# Altium PCB Sinus_Inverter.PcbDoc (continued)
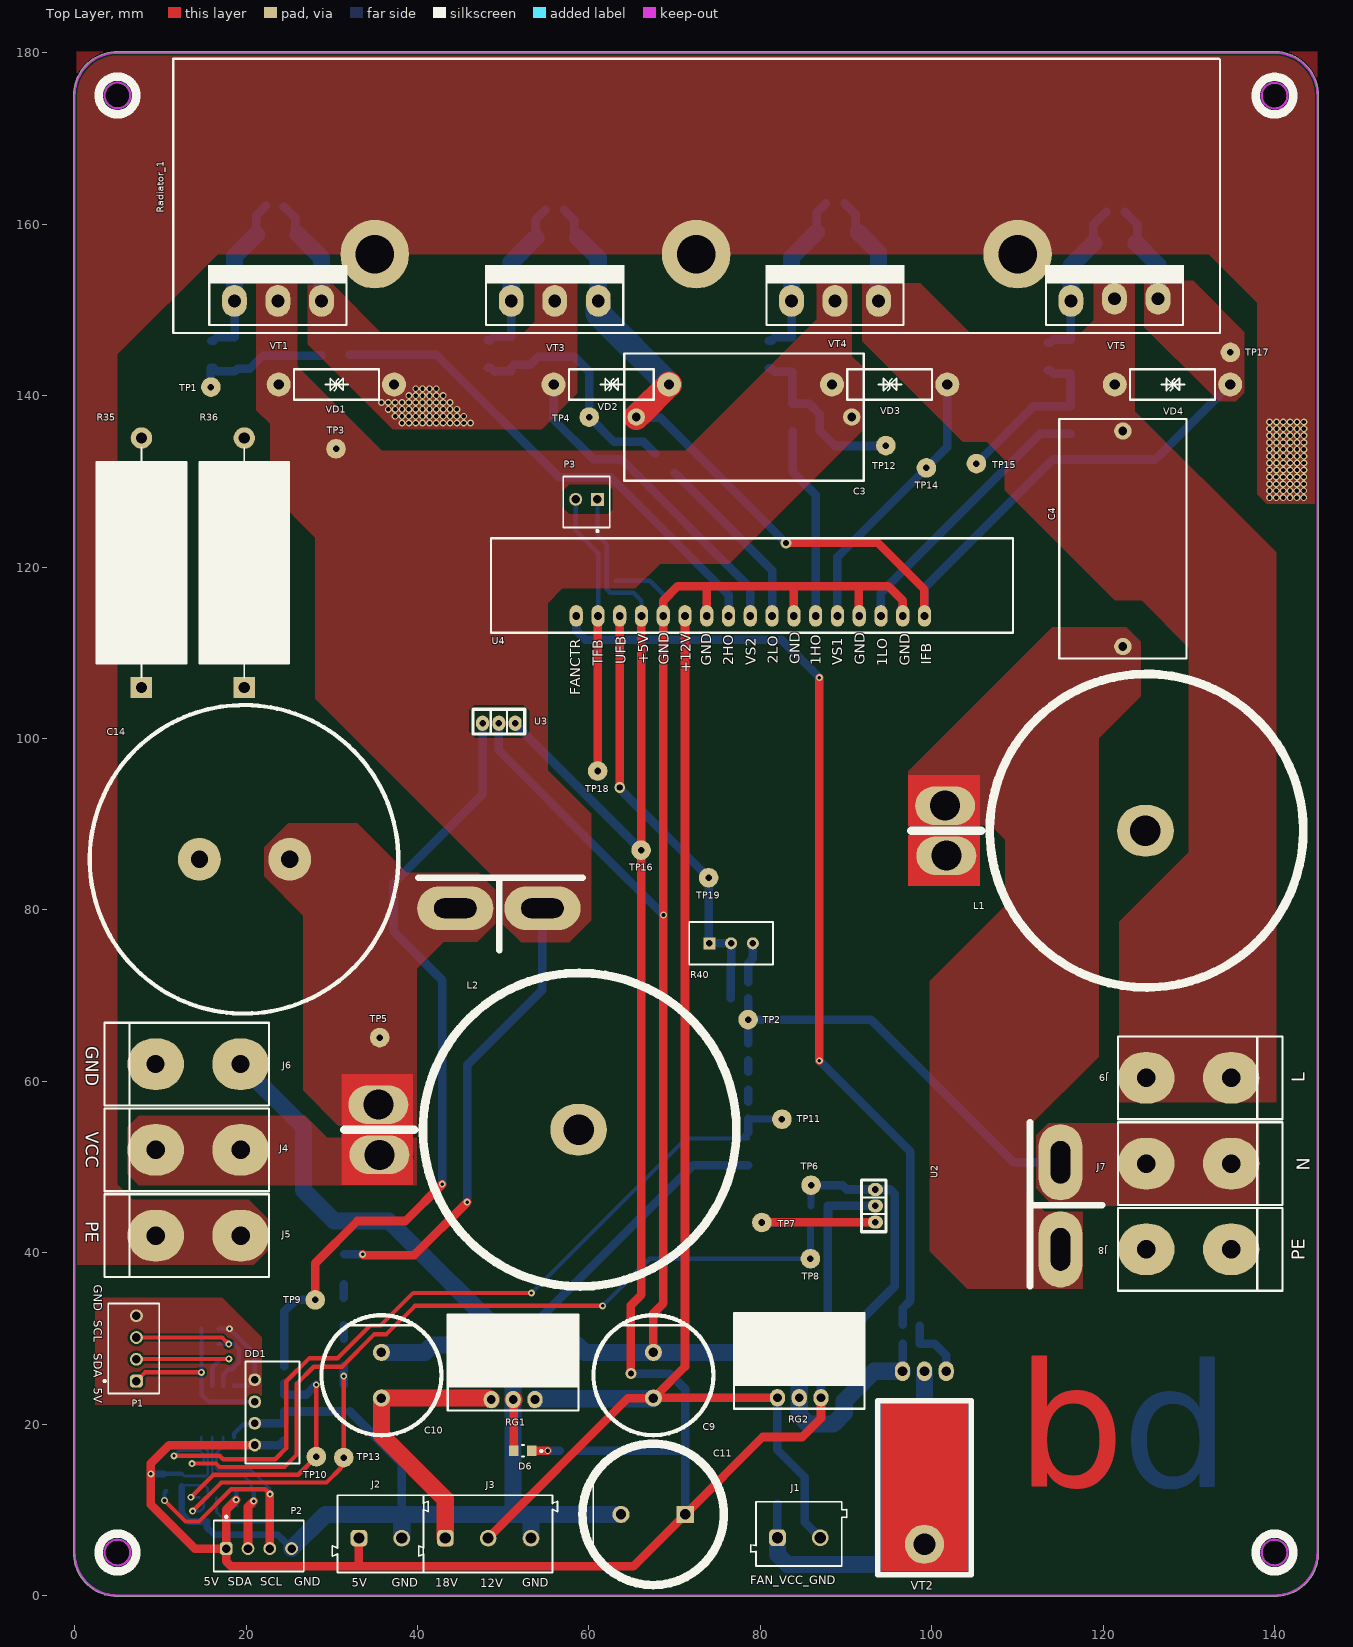
[diagram p0: Top Layer view]
## Footprints (in the part's own frame and the unit in brackets; to place one, negate y for a bottom-side part, rotate by r counter-clockwise, add the part's x,y. Pads: shape width x height; smd on the part's side, far side on the other; paste and mask are expansions set on the pad) (continued)
  silkscreen extent -3.92,-1.46 2.3,1.46, body extent -2.6,-1.3 2.6,1.3, height 2.4

## Part data
C1: library part CMP-1036-04552-2, "CAP CER 0.22UF 50V X7R 0805", Capacitance="0.22 μF", Manufacturer=KEMET, Package=C0805C-DN, Temperature="-55°C to +125°C", Temperature Characteristic=X7R, Temperature Coefficient=30ppm/°C, Temperature Range High=+125°C, Temperature Range Low=-55°C, Tolerance=0.1, Voltage Rating="50 V", Automotive=No, Category=Cap, ComponentLink2Description=Datasheet, ComponentLink2URL=https://content.kemet.com/datasheets/KEM_C1003_C0G_SMD.pdf, Device Class L1="Passive Components", Device Class L2=Capacitors, Device Class L3="Ceramic Capacitors", Digikey Description="CAP CER 0.22UF 50V X7R 0805", Height=0.88mm, Ipc Land Pattern Name=CAPC200125X78, Lead Free=Yes, Manufacturer Part Number=C0805C224K5RACTU, Material=Ceramic, Mouser Description="CAP CER 0.22UF 50V X7R 0805", Octopart=https://octopart.com/c0805c224k5ractu-kemet-144670, RoHS=TRUE
C3 C4 C5 C6 C7 C8 C12 C13: library part CAP-NON-POLAR
C9 C10: library part CAP_polar_Hitano
C14: library part CAP_POL_LOW_IMP
D2: library part 1N4148, "Fast Switching Diode, 100 V, 0.15 A, -65 to 150 degC, 2-Pin?SOD123, RoHS, Tape and Reel", If - Forward Current=0.15A, Ir - Reverse Current=1uA, Manufacturer=DiodesIncorporated, Max Surge Current=2A, Maximum Operating Temperature=+150C, Minimum Operating Temperature=-65C, Operating Temperature Range=-65Cto+150C, Package / Case=SOD-123, Package Reference=SOD123-2, Peak Reverse Voltage=100V, Vf - Forward Voltage=1.25V, Brand=DiodesIncorporated, Configuration=Single, Datasheet URL=http://www.farnell.com/datasheets/1915529.pdf, Datasheet Version="Rev. 24-2, 10/2013", Factory Pack Quantity=3000, Height=1.25mm, Length=2.85mm, Manufacturer URL=http://www.diodes.com/, Mounting Style=SMD/SMT, Package URL=http://www.diodes.com/datasheets/ds18004.pdf, Packaging=Reel, Product=SwitchingDiodes, Product Category=Diodes-GeneralPurpose,Power,Switching, Recovery Time=4ns, RoHS=True, Series=1N4148, Type=SwitchingDiode, Unit Weight=0.000353oz, Width=1.7mm
D6: "WURTH ELEKTRONIK - 151031YS06000 - LED, Yellow, Through Hole, T-1 (3mm), 30 mA, 2 V, 590 nm", Manufacturer_Name="Wurth Elektronik", Manufacturer_Part_Number=151031YS06000, Mouser Part Number=710-151031YS06000, Datasheet Link=https://katalog.we-online.de/led/datasheet/151031YS06000.pdf, Geometry.Height=5.5mm, Mouser Price/Stock=https://www.mouser.co.uk/ProductDetail/Wurth-Elektronik/151031YS06000?qs=LlUlMxKIyB3xSYYW%252BcuBiQ%3D%3D
J1: "WR-TBL Series 102 Horizontal Entry Modular, THT, pitch 5mm, 2p", Manufacturer="Wurth Elektronik", Operating Temperature Max=105°C, Operating Temperature Min=-40°C, Rated Current=15A, Working Voltage=250V, Application="Pressure Clamp", Category="Terminal Blocks", ComponentLink1Description="Website Link", ComponentLink1URL=https://www.we-online.com/redexpert/article/691102710002?ad, ComponentLink2Description="Datasheet Link", ComponentLink2URL=https://www.we-online.com/redexpert/spec/691102710002?ad, Manufacturer Part Number=691102710002, Match Code=WR-TBL, Modularity=Yes, Mount="Through Hole", Number of Pins=2, Number of Rows=1, Orientation=Horizontal, Packaging=Box, Pitch=5mm
J2: "WR-TBL Series 101 Horizontal Entry Modular, THT, pitch 5mm, 2p", Manufacturer="Wurth Elektronik", Operating Temperature Max=105°C, Operating Temperature Min=-40°C, Rated Current=16A, Working Voltage=250V, Application="Pressure Clamp", Category="Terminal Blocks", ComponentLink1Description="Website Link", ComponentLink1URL=https://www.we-online.com/redexpert/article/691101710002?ad, ComponentLink2Description="Datasheet Link", ComponentLink2URL=https://www.we-online.com/redexpert/spec/691101710002?ad, Manufacturer Part Number=691101710002, Match Code=WR-TBL, Modularity=Yes, Mount="Through Hole", Number of Pins=2, Number of Rows=1, Orientation=Horizontal, Packaging=Box, Pitch=5mm
J3: "WR-TBL Series 101 Horizontal Entry Modular, THT, pitch 5mm, 3p", Manufacturer="Wurth Elektronik", Operating Temperature Max=105°C, Operating Temperature Min=-40°C, Rated Current=16A, Working Voltage=250V, Application="Pressure Clamp", Category="Terminal Blocks", ComponentLink1Description="Website Link", ComponentLink1URL=https://www.we-online.com/redexpert/article/691101710003?ad, ComponentLink2Description="Datasheet Link", ComponentLink2URL=https://www.we-online.com/redexpert/spec/691101710003?ad, Manufacturer Part Number=691101710003, Match Code=WR-TBL, Modularity=Yes, Mount="Through Hole", Number of Pins=3, Number of Rows=1, Orientation=Horizontal, Packaging=Box, Pitch=5mm
J4 J5 J6 J7 J8 J9: library part Connector_MEIGAN_MG136HT
L1 L2: library part Coil
P1 P2: "WR-WTB THT Male Vertical Locking Header, pitch 2.54mm, 4pins", Contact Resistance=20mΩ, Manufacturer="Wurth Elektronik", Operating Temperature Max=105°C, Operating Temperature Min=-40°C, Rated Current=3A, Withstanding Voltage=1000VAC, Working Voltage=250VAC, Category="Wire-to-Board Connectors", ComponentLink1Description="Website Link", ComponentLink1URL=https://www.we-online.com/redexpert/article/61900411121?ad, ComponentLink2Description="Datasheet Link", ComponentLink2URL=https://www.we-online.com/redexpert/spec/61900411121?ad, Gender=Male, Height=11.5mm, Length=10.16mm, Manufacturer Part Number=61900411121, Match Code=WR-WTB, Mount="Through Hole", Number of Pins=4, Number of Rows=1, Orientation=Vertical, Packaging=Bag, Pitch=2.54mm, Width=5.8mm
P3: "WR-WTB THT Male Vertical Locking Header, pitch 2.54mm, 2p", Contact Resistance=20mOhm, Operating Temperature="-40 to +105degC", Rated Current=3A, Withstanding Voltage=1000VAC, Working Voltage=250VAC, ComponentLink1Description=Manufacturer, ComponentLink1URL=http://www.we-online.de, ComponentLink2Description=Datasheet, ComponentLink2URL=https://www.we-online.com/catalog/datasheet/61900211121.pdf, Gender=Male, Mounting Technology=THT, Packaging=Bag, Part Number=61900211121, Pin Number=2, Pitch=2.54mm, Published Date="January 2020", Publisher="Wurth Elektronik", Type=Vertical
R1 R2 R3 R4 R5 R6 R7 R8 R9 R10 R11 R12 R13 R14 R15 R16 R17 R18 R19 R20 R21 R22 R23 R24 R25 R27 R28 R30 R31 R32 R33 R34 R35 R36 R37 R38 R39: library part RES-CONST
R26 R29: library part CMP-2005-01987-2, "RES SMD 1K OHM 1% 1/2W 1992", Case Code (Imperial)=1210, Case Code (Metric)=3225, Max Operating Temperature=155°C, Max Power Dissipation=500mW, Min Operating Temperature=-55°C, Package Quantity=1, Resistance=0mR, Temperature Coefficient=0ppm/°C, Voltage Rating=200V, Case/Package=1210, Composition="Thick Film", Contact Plating=Tin, Depth=2.5mm, Features="Automotive AEC-Q200", Height=0.55mm, Length=3.2mm, Military Standard=Not, Mount="Surface Mount", Number of Terminations=2, Packaging="Tape and Reel", Power Rating=500mW, Radiation Hardening=No, REACH SVHC="No SVHC", Termination=SMD/SMT, Weight=0.000564oz, Width=0.098inch
R40: library part RES_Adj
RG1: library part LM7812CT, "REG IC REG LINEAR 12V 1A TO220AB", Current-Output=1A, Digikey Part Number=LM7805CT-ND, Manufacturer=Fairchild, Mouser Part Number=512-LM7805CT, Package=TO220, Temperature="-40°C to +125°C", Temperature Range High=+125°C, Temperature Range Low=-40°C, Voltage - Input (Max)=35V, Voltage - Output=5V, Voltage Dropout (Max)="2V @ 1A (Typ)", ComponentLink1Description=Upverter, ComponentLink1URL=https://upverter.com/upn/revision/b27a7358b7dd93a3/, ComponentLink2Description=Datasheet, ComponentLink2URL=https://www.fairchildsemi.com/datasheets/LM/LM7805.pdf, Digikey Description="REG IC REG LINEAR 5V 1A TO220AB", helpURL=https://upverter.com/upn/revision/b27a7358b7dd93a3/, Ipc Land Pattern Name=TO-220, Lead Free=yes, Part Number=LM7812CT, Price=0.384521982769, RoHS=TRUE, Supplier 1=Digi-Key, Supplier 2=Mouser, Supplier Part Number 1=LM7805CT-ND, Supplier Part Number 2=512-LM7805CT
RG2: library part LM7805CT, "REG IC REG LINEAR 5V 1A TO220AB", Current-Output=1A, Digikey Part Number=LM7805CT-ND, Manufacturer=Fairchild, Mouser Part Number=512-LM7805CT, Package=TO220, Temperature="-40°C to +125°C", Temperature Range High=+125°C, Temperature Range Low=-40°C, Voltage - Input (Max)=35V, Voltage - Output=5V, Voltage Dropout (Max)="2V @ 1A (Typ)", ComponentLink1Description=Upverter, ComponentLink1URL=https://upverter.com/upn/revision/b27a7358b7dd93a3/, ComponentLink2Description=Datasheet, ComponentLink2URL=https://www.fairchildsemi.com/datasheets/LM/LM7805.pdf, Digikey Description="REG IC REG LINEAR 5V 1A TO220AB", helpURL=https://upverter.com/upn/revision/b27a7358b7dd93a3/, Ipc Land Pattern Name=TO-220, Lead Free=yes, Part Number=LM7805CT, Price=0.384521982769, RoHS=TRUE, Supplier 1=Digi-Key, Supplier 2=Mouser, Supplier Part Number 1=LM7805CT-ND, Supplier Part Number 2=512-LM7805CT
TP1 TP2 TP3 TP4 TP5 TP6 TP7 TP8 TP9 TP10 TP11 TP12 TP13 TP14 TP15 TP16 TP17 TP18 TP19: library part TP_PCB?, "Test_Point"
U1: library part CMP-0003-00378-2, "16-Bit ADC with Integrated Multiplexer, PGA, Comparator, Oscillator, and Reference, -40 to 125 degC, 10-pin SOP (DGS10), Green (RoHS & no Sb/Br)", Analog Voltage AV/DD(Max)(V)=5.5, Analog Voltage AV/DD(Min)(V)=2, Manufacturer="Texas Instruments", # Input Channels=4, Architecture=Delta-Sigma, Code_JEDEC=MO-153, ComponentLink1Description="Manufacturer URL", ComponentLink1URL=http://www.ti.com/, ComponentLink2Description=Datasheet, ComponentLink2URL=http://www.ti.com/general/docs/lit/getliterature.tsp?genericPartNumber=ADS1115&fileType=pdf, ComponentLink3Description="Package Specification", ComponentLink3URL=http://www.ti.com/lit/ml/mpds035b/mpds035b.pdf, DatasheetVersion=SBAS444B, Digital Supply(Max)(V)=5.5, Digital Supply(Min)(V)=2, Eco-Plan="Green (RoHS & no Sb/Br)", INL(Max)(+/-LSB)=1, Interface="Serial I2C", Mounting Technology="Surface Mount", PackageDescription="10-Pin Plastic Small Outline, Body 3 x 3 mm, Pitch 0.5 mm", PackageReference=DGS10, PackageVersion="4073272/C, 02/2004", PartNumber=ADS1115IDGST, Resolution(Bits)=16, Sample Rate (max)(SPS)=860, SubFamily="Precision ADC (<=10MSPS)"
U2 U3: library part ACS758
U4: "EGS002  PWM"

## Via types
v1: diameter 0.8, hole 0.5, Top Layer to Bottom Layer, 129 vias
v2: diameter 0.8, hole 0.4, Top Layer to Bottom Layer, 21 vias
v3: diameter 1.27, hole 0.711, Top Layer to Bottom Layer, 3 vias

## Nets (pads, with @x,y where several pads share a name; then routed paths per layer and width w, separated by ;. In a path a pad name is that pad's centre, name@x,y a point inside that pad or via, vN(x,y) a via of type N, cw(c..) or ccw(c..) an arc to the next point about the centre after c; other vN are vias at no path point)
+5V: C1.2 C6.2 C8.2 C11.1 DD1.4 DD2.8 J2.1 P2.1 P3.1 R1.2 R2.2 R5.2 R37.2 RG2.3 TP6.1 TP16.1 U1.8 U2.1 U3.1 U4.14 | length 336.7
  Top Layer w1: P2.1@17.69,5.7 17.69,10.015 v2(18.85,11.175) ; DD1.4 11.036,17.562 8.9,15.427 v2(8.9,14.2) 8.9,10.6 14.013,5.487 P2.1 17.69,3.986 18.276,3.4 33.175,3.4 ; J2.1 33.175,3.4 ; v3(64.9,25.9) 64.9,33.873 66.1,35.073 U4.14@66.1,114.26 ; RG2.3 87.08,20.68 84.9,18.5 80.275,18.5 C11.1 65.175,3.4 33.175,3.4
  Bottom Layer w0.3: C1.2 12.773,13.95 15.325,13.95 15.55,14.175 15.55,14.609 15.552,14.611 U1.8 15.552,16.798 14.795,17.555 DD2.8 ; R1.2@18.864,10.511 R1.2
  Bottom Layer w0.5: R5.2 C1.2@12.486,14.2 ; R1.2@18.87,10.77 R2.2 ; P3.1 61,123.7 62.1,122.6 62.1,117.4 62.5,117 65.2,117 66.138,116.062 U4.14
  Bottom Layer w0.8: v2(8.9,14.2) R5.2@10.45,14.2 ; C6.2@85.912,45.463 TP6.1@85.912,47.863
  Bottom Layer w1: DD1.4 23.875,17.562 C8.2@24.361,18.048 ; U3.1 51.405,101.652 TP16.1@66.1,86.957 ; R37.2 71.015,16.9 71.25,17.135 ; v3(64.9,25.9) 69.429,25.9 71.25,24.079 71.25,17.135 ; C11.1 71.25,17.135 ; TP6.1@85.912,47.863 TP6.1 89.593,47.875 90.093,47.375 U2.1 93.46,47.4 95.114,47.4 95.7,46.814 95.7,36.1 87.08,27.48 RG2.3
+5V_ISOL: C2.1 DD1.2 DD2.1 P1.1 R3.2 R4.2 | length 22.3
  Top Layer w0.5: P1.1 8.223,26.041 v2(14.79,26.041)
  Bottom Layer w0.5: C2.1 14.801,31.116 14.801,24.475 DD2.1 14.831,24.434 14.831,23.394 15.613,22.612 DD1.2
GND: C1.1 C5.2 C6.1 C7.2 C8.1 C9.2 C10.2 C11.2 C12.1 C14.2 D6.2 DD1.3 DD2.5 J2.2 J3.3 J6.1 P2.4 R7.1 R13.1 R24.1 R26.1 R27.1 R29.1 R35.1 R36.1 RG1.2 RG2.2 U1.3 U2.2 U3.2 U4.2 U4.4 U4.7 U4.11 U4.13 VT2.S | length 476.9
  Top Layer w0.5: 73.758,117.681 73.824,117.748 ; 83.817,117.748 83.918,117.647 ; U4.4@91.51,114.326 U4.4
  Top Layer w1: D6.2 RG1.2@51.25,22.85 ; C9.2 67.536,32.936 68.7,34.1 68.7,114.276 U4.13 68.678,116.078 70.348,117.748 73.824,117.748 83.817,117.748 91.51,117.748 ; U4.11 73.758,117.681 ; U4.7 83.918,117.647 ; U4.4@91.51,114.326 91.51,117.748 ; U4.2 96.618,116.082 94.952,117.748 91.51,117.748
  Top Layer w2: RG1.2@51.164,22.866 51.234,22.866 RG1.2@51.25,22.85
  Bottom Layer w0.3: C1.1 12.662,12.876 15.174,12.876 15.552,12.498 U1.3
  Bottom Layer w0.5: DD2.5 18.605,18.892 18.682,18.969 18.684,18.969 19.644,19.929 20.84,19.929 DD1.3@21.036,20.125 ; C8.1@24.417,20.125 C8.1@24.463,20.172 ; R27.1@24.463,21.419 R27.1 R27.1@24.469,21.472 ; R29.1@31.365,21.472 R29.1 R29.1@32.095,21.501 ; C12.1 67.1,118.4 68.678,116.822 U4.13
  Bottom Layer w0.8: C1.1 12.504,9.496 13.358,8.642 R7.1 15.441,7.959 16.3,7.1 23.697,7.1 P2.4
  Bottom Layer w1: DD1.3@21.036,20.125 C8.1@24.417,20.125 ; C8.1@24.463,20.172 R27.1@24.463,21.419 ; R27.1@24.469,21.472 R29.1@31.365,21.472 ; R29.1@32.095,21.501 38.175,15.421 38.175,9.475 ; U3.2 49.5,98.6 60.9,87.2 v1(68.7,79.4) ; RG1.2@51.164,29.216 72.172,50.224 R26.1 ; 52.825,9.475 53.25,9.05 ; RG2.2@84.54,29.425 87.85,32.735 C5.2 R24.1@87.85,43.55 ; R24.1@87.9,43.8 C6.1 87.91,45.46 93.425,45.46 U2.2 ; VT2.S@96.6,26.586 R13.1
  Bottom Layer w2: J6.1@19.366,62 26.7,54.666 26.7,47.3 30.3,43.7 36.68,43.7 RG1.2@51.164,29.216 ; P2.4 29.298,9.475 38.175,9.475 ; C10.2 40.878,28.378 41.716,29.216 RG1.2@51.164,29.216 ; J2.2 38.175,9.475 ; RG1.2@52.8,29.216 58.684,29.216 59.522,28.378 C9.2 77.378,28.378 78.425,29.425 84.54,29.425 84.54,23.075 84.54,21.06 85.6,20 88.5,20 89.8,21.3 89.8,22.7 93.276,26.176 VT2.S ; J3.3@53.25,6.725 53.25,9.05 ; C11.2 52.825,9.475 51.164,9.475 ; 38.175,9.475 51.164,9.475 ; 51.164,9.475 51.164,22.866 RG1.2@51.164,29.216
GND_ISOL: C2.2 DD1.1 DD2.4 P1.4 | length 11.1
  Bottom Layer w0.5: C2.2 16.808,31.123 18.073,31.123 v2(18.075,31.125) 21.013,28.187 DD1.1 20.934,25.182 20.221,24.469 DD2.4
NetC3_1: C3.1 R18.1 R34.1 R35.2 R36.2 TP17.1 U4.1 VD2.1 VD4.1 VD6.1 VD8.1 VT3.3 VT5.3 | length 137
  Top Layer w1: v3(82.993,122.798) 83.043,122.848 93.668,122.848 99.143,117.373 99.143,114.313 U4.1
  Top Layer w3: C3.1 65.883,137.832 VD2.1
  Bottom Layer w1: R18.1@57.118,161.673 58.273,160.518 58.273,158.874 VD6.1 ; C3.1@65.827,137.4 68.391,137.4 v3(82.993,122.798) ; U4.1 99.158,117.588 114.118,132.548 126.074,132.548 VD4.1 ; R34.1@122.543,161.448 122.543,161.423 122.643,161.323 122.668,161.323 123.968,160.023 123.968,157.967 VD8.1
  Bottom Layer w2: VD6.1 61.098,156.049 VT3.3 ; VD8.1 126.398,155.249 VT5.3 VT5.3@126.398,150.898 ; VD4.1@134.575,141.547 VD4.1
  Bottom Layer w3: VT3.3 61.098,149.549 VD2.1
NetC4_1: C4.1 J9.1 R31.1 TP14.1 U4.5 VD3.1 VD4.2 VD7.1 VT4.3 VT5.2 | length 45.3
  Bottom Layer w1: U4.5 88.998,121.178 TP14.1 101.824,134.004 VD3.1 ; R31.1@89.843,162.423 91.129,161.137 91.129,159.368 VD7.1
  Bottom Layer w2: VD7.1 93.798,156.699 VT4.3
NetC4_2: C4.2 L1.2 U2.4
NetC5_1: C5.1 R20.1 R24.2 TP8.1 U1.6 | length 93.9
  Top Layer w0.5: v2(13.7,15.4) 16.5,15.4 16.9,15 24.5,15 25.9,16.4 25.9,24.7 27.9,26.7 31.2,26.7 35,30.5 36.4,30.5 39.7,33.8 v2(61.6,33.8)
  Bottom Layer w0.3: v2(13.7,15.4) 14.552,15.4 U1.6
  Bottom Layer w0.5: v2(61.6,33.8) 67.1,39.3 TP8.1
  Bottom Layer w0.8: R20.1 84.462,43.538 R24.2@85.862,43.538 ; TP8.1 85.862,39.312 85.862,41.675 R24.2@85.862,43.538 ; R24.2 R24.2@85.862,43.538
NetC7_1: C7.1 R23.1 R27.2 TP10.1 U1.5 | length 31.6
  Top Layer w0.5: v2(13.575,11.475) 16.2,14.1 26.1,14.1 TP10.1 28.2,18.1 v2(28.2,24.6)
  Bottom Layer w0.3: v2(13.575,11.475) 14.552,11.475 U1.5
  Bottom Layer w1: R23.1 R27.2 27.042,23.442 v2(28.2,24.6)
NetC9_1: C9.1 D2.1 J1.2 J3.2 RG1.3 RG2.1 U4.12 | length 165.5
  Top Layer w1: J3.2@48.25,6.725 64.569,23.044 C9.1 67.552,23.06 81.985,23.06 RG2.1 ; RG1.3@53.615,22.777 RG1.3 RG1.3@53.793,22.955 ; C9.1@67.916,23.416 71.218,26.718 U4.12 ; RG2.1@81.735,23.044 RG2.1@82.002,22.777
  Bottom Layer w1: RG2.1 82,17 85.175,13.825 D2.1 85.175,8.575 J1.2
  Bottom Layer w2: RG1.3@53.793,22.955 C9.1@67.447,22.955
NetC10_1: C10.1 J3.1 RG1.1 | length 32.3
  Top Layer w2: J3.1@43.25,6.725 43.25,11.25 35.8,18.7 C10.1 48.351,23.044 48.529,22.866 RG1.1
NetC12_2: C12.2 P3.2 TP18.1 U4.16 | length 32.9
  Top Layer w1: TP18.1 61.029,114.269 U4.16
  Bottom Layer w0.5: P3.2 58.46,124.24 61.1,121.6 C12.2 61.079,118.379 61.079,114.319 U4.16
  Bottom Layer w1: TP18.1@60.999,96.233 TP18.1
NetC13_1: C13.1 R38.2 R39.2 R40.1 R40.2 TP19.1 U4.15 | length 51.4
  Top Layer w1: U4.15 U4.15 63.599,94.301 v3(63.6,94.3)
  Bottom Layer w1: v3(63.6,94.3) 63.652,94.248 63.652,94.073 74.012,83.713 74.012,76.137 R40.1 R40.2 R39.2@76.589,73.55 ; R39.2 76.563,73.412 76.563,69.713 R38.2
NetC13_2: C13.2 R39.1 R40.3 | length 4.8
  Bottom Layer w1: C13.2 78.575,73.75 79.129,74.304 R40.3
NetD1_1: D1.1 R9.1 R10.2 TP1.1 | length 16.1
  Bottom Layer w1: TP1.1 15.909,141.009 15.909,143.223 R9.1 16.218,143.223 16.618,142.823 D1.1 19.027,143.157 20.457,143.157 21.975,144.675 R10.2
NetD1_2: D1.2 R9.2 R11.2 VD5.2 VT1.1 | length 19.8
  Bottom Layer w1: R9.2 16.218,146.423 16.618,146.823 D1.2 18.665,146.851 18.665,151.017 VT1.1 ; VD5.2 21.193,161.023 22.218,162.048 22.218,162.073 R11.2
  Bottom Layer w2: VT1.1 18.638,156.243 VD5.2
NetD2_2: D2.2 J1.1 VT2.D | length 48.2
  Bottom Layer w1: J1.1 82,10.675 D2.2 ; VT2.D@97.281,6.881 98.179,5.983 VT2.D@99.146,5.983
  Bottom Layer w2: J1.1 82,4.786 83.172,3.614 94.304,3.614 97.281,6.591 97.281,6.881 99.083,8.683 99.083,12.523 ; VT2.D@99.146,5.983 99.146,8.683 ; 99.146,12.523 VT2.D@99.146,26.176
NetD3_1: D3.1 R15.2 R16.1 TP4.1 | length 28.8
  Bottom Layer w1: R16.1 48.518,143.248 48.918,142.848 D3.1 50.968,143.248 51.318,143.598 53.168,143.598 54.118,144.548 58.293,144.548 60.043,142.798 TP4.1@60.043,137.098 ; TP4.1 62.942,134.6 66.4,134.6 R15.2
NetD3_2: D3.2 R16.2 R18.2 VD6.2 VT3.1 | length 19.4
  Bottom Layer w1: R16.2 48.518,146.448 48.918,146.848 D3.2 50.953,146.863 50.953,151.029 VT3.1 ; VD6.2 53.818,160.573 R18.2@54.918,161.673
  Bottom Layer w2: VT3.1 50.938,155.568 VD6.2
NetD4_1: D4.1 R28.1 R30.2 TP12.1 | length 20.5
  Bottom Layer w1: R28.1 81.268,143.198 81.668,142.798 D4.1 83.743,139.048 85.718,139.048 86.918,137.848 86.918,135.923 88.718,134.123 94.049,134.123 94.249,134.323 TP12.1@94.249,134.348
NetD4_2: D4.2 R28.2 R31.2 VD7.2 VT4.1 | length 20.3
  Bottom Layer w1: R28.2 81.268,146.398 81.668,146.798 D4.2 83.69,146.851 83.69,150.992 VT4.1 ; VD7.2 86.568,161.348 R31.2@87.643,162.423
  Bottom Layer w2: VT4.1 83.638,156.118 VD7.2
NetD5_1: D5.1 R32.2 R33.1 TP15.1 | length 20.5
  Bottom Layer w1: TP15.1 111.893,138.748 R32.2 D5.1 114.218,142.548 113.818,142.948 R33.1
NetD5_2: D5.2 R33.2 R34.2 VD8.2 VT5.1 | length 19.5
  Bottom Layer w1: R33.2 113.818,146.148 114.218,146.548 D5.2 116.24,146.551 116.24,151.042 VT5.1 ; VD8.2 118.857,157.909 118.857,159.937 R34.2@120.343,161.423
  Bottom Layer w2: VT5.1 116.238,155.118 VD8.2
NetD6_1: D6.1 R37.1 | length 3.3
  Top Layer w1: D6.1 v1(55.2,16.9)
  Bottom Layer w1: v1(55.2,16.9) R37.1
NetDD2_2: DD2.2 P1.2 R4.1 | length 15.4
  Top Layer w0.5: P1.2 7.23,27.588 17.984,27.588 v2(18.007,27.611)
  Bottom Layer w0.5: DD2.2 16.065,26.6 16.806,27.341 R4.1 16.829,27.588 17.985,27.588 v2(18.007,27.611)
NetDD2_3: DD2.3 P1.3 R3.1 | length 19
  Top Layer w0.5: P1.3 17.213,30.105 v2(17.982,29.336)
  Bottom Layer w0.5: R3.1 16.81,29.34 17.979,29.34 v2(17.982,29.336) 17.985,29.339 18.611,29.339 19.175,28.775 19.175,27.175 18.4,26.4 17.975,26.4 17.335,25.76 DD2.3
NetDD2_6: DD2.6 P2.3 R5.1 R8.1 U1.10 | length 35.7
  Top Layer w0.5: v1(10.5,11.1) 12.95,8.65 14.5,8.65 18.25,12.4 22.238,12.4 v2(22.8,11.839)
  Top Layer w1: P2.3 v2@22.77,11.839
  Bottom Layer w0.3: DD2.6 17.335,17.41 16.552,16.627 U1.10 16.552,14.776 16.728,14.6 20.65,14.6 22.75,12.5 v2@22.75,12.15 ; R8.1 22.8,10.425 v2(22.8,11.839)
  Bottom Layer w0.5: v1(10.5,11.1) 10.487,11.113 10.487,12.05 10.6,12.162 R5.1@10.72,12.162
NetDD2_7: DD2.7 P2.2 R2.1 R6.1 U1.9 | length 18.6
  Top Layer w1: P2.2 20.23,10.356 v2(20.891,11.017)
  Bottom Layer w0.3: DD2.7 16.052,18.456 U1.9 16.052,14.223 16.35,13.925 19.775,13.925 20.62,13.08 20.62,12.449 R2.1 ; R6.1 R6.1@20.886,10.486
  Bottom Layer w0.5: v2@20.87,11.3 R2.1 ; R6.1@20.886,10.486 R2.1@20.886,11.915
NetJ4_1: J4.1 L2.1
NetJ7_1: J7.1 R14.2 R38.1 TP2.1 U2.5 | length 48.6
  Bottom Layer w1: R38.1 78.579,69.696 TP2.1 ; R14.2 78.579,64.454 TP2.1 ; U2.5 109.55,50.55 92.9,67.2 TP2.1
NetL1_1: L1.1 R11.1 U4.9 VD1.1 VD2.2 VD5.1 VT1.3 VT3.2 | length 51.3
  Bottom Layer w1: R11.1@24.418,162.048 25.757,160.709 25.757,159.115 VD5.1 ; VD2.2 55.887,137.213 60.5,132.6 63.791,132.6 78.838,117.553 U4.9
  Bottom Layer w2: VD5.1 28.798,156.074 VT1.3
  other v1: 38.2,136.8 39,136.8 39.8,136.8 40.6,136.8 41.4,136.8 42.2,136.8 43,136.8 43.8,136.8 44.6,136.8 45.4,136.8 46.2,136.8 37.4,137.6 38.2,137.6 39,137.6 39.8,137.6 40.6,137.6 41.4,137.6 42.2,137.6 43,137.6 43.8,137.6 44.6,137.6 45.4,137.6 36.6,138.4 37.4,138.4 38.2,138.4 39,138.4 39.8,138.4 40.6,138.4 41.4,138.4 42.2,138.4 43,138.4 43.8,138.4 44.6,138.4 35.8,139.2 36.6,139.2 37.4,139.2 38.2,139.2 39,139.2 39.8,139.2 40.6,139.2 41.4,139.2 42.2,139.2 43,139.2 43.8,139.2 39,140 39.8,140 40.6,140 41.4,140 42.2,140 43,140 39.8,140.8 40.6,140.8 41.4,140.8 42.2,140.8
NetR1_1: R1.1 R6.2 R7.2 R8.2 U1.1 | length 8.5
  Bottom Layer w0.3: U1.1 16.552,9.756 17.441,8.867 R7.2 R7.2@17.486,8.686
  Bottom Layer w0.5: R7.2@17.486,8.686 18.982,8.686 20.759,8.686 R8.2@22.75,8.686
NetR10_1: R10.1 U4.10 | length 58.3
  Bottom Layer w1: R10.1@32.05,144.75 42.225,144.75 56.475,130.5 62.541,130.5 76.298,116.743 U4.10
NetR12_1: R12.1 R13.2 VT2.G | length 7.6
  Bottom Layer w1: R12.1@98.6,31.5 R13.2 100.3,29.4 101.686,28.014 VT2.G
NetR12_2: R12.2 U4.17 | length 112.6
  Top Layer w1: v2(86.9,62.4) v2(86.9,107.1)
  Bottom Layer w1: U4.17 58.518,112.582 59.6,111.5 82.5,111.5 v2(86.9,107.1) ; v2(86.9,62.4) 97.5,51.8 97.5,34.4 96.6,33.5 R12.2
NetR14_1: R14.1 R19.2 | length 1.4
  Bottom Layer w1: R19.2@78.583,61.1 78.607,61.125 R14.1@78.607,62.45
NetR15_1: R15.1 U4.8 | length 21.4
  Bottom Layer w1: R15.1 81.378,119.622 U4.8
NetR17_1: R17.1 R21.2 | length 1.6
  Bottom Layer w1: R21.2 R17.1@31.394,36.311
NetR19_1: R19.1 R22.2 | length 1.4
  Bottom Layer w1: R22.2 R19.1
NetR20_2: R20.2 TP7.1 U2.3 | length 15.6
  Top Layer w1: TP7.1 80.195,43.545 93.415,43.545 U2.3
  Bottom Layer w1: TP7.1 R20.2
NetR21_1: R21.1 R25.2 | length 1.5
  Bottom Layer w1: R25.2 R21.1
NetR22_1: R22.1 R26.2 TP11.1 U1.7 | length 98.6
  Top Layer w0.5: v2(11.6,16.3) 16.941,16.3 17.341,15.9 23.4,15.9 24.7,17.2 24.7,25 27.4,27.7 30.7,27.7 34.5,31.5 35.7,31.5 39.5,35.3 v2(53.3,35.3)
  Bottom Layer w0.3: v2(11.6,16.3) 11.602,16.3 12.202,16.9 14.625,16.9 15.052,16.473 U1.7 ; R22.1 R22.1@78.608,55.6 ; TP11.1@82.5,55.6 TP11.1
  Bottom Layer w0.5: v2(53.3,35.3) 71.326,53.326 77.8,53.326 R26.2 ; R26.2@77.8,53.4 78.428,54.028 78.583,54.028
  Bottom Layer w0.8: R22.1@78.608,55.6 TP11.1@82.5,55.6
  Bottom Layer w1: 78.583,54.028 R22.1
NetR23_2: R23.2 TP9.1 U3.3 | length 94
  Top Layer w1: TP9.1 28.075,38.775 33,43.7 38.6,43.7 v2(42.9,48)
  Bottom Layer w1: R23.2@24.445,26.75 24.445,33.145 25.8,34.5 TP9.1 ; v2(42.9,48) 42.9,71.8 37.2,77.5 37.2,83.1 47.595,93.495 U3.3
NetR25_1: R25.1 R29.2 TP13.1 U1.4 | length 35.1
  Top Layer w0.5: v2(13.775,9.85) 17.125,13.2 29.4,13.2 31.058,14.858 31.058,15.758 TP13.1 v2(31.4,25.6)
  Bottom Layer w0.3: v2(13.775,9.85) 14.675,9.85 15.052,10.227 U1.4
  Bottom Layer w1: R29.2 31.4,24.609 31.4,26.786 R25.1
NetR30_1: R30.1 U4.6 | length 22.7
  Bottom Layer w1: R30.1 83.793,131.098 86.458,128.433 U4.6
NetR32_1: R32.1 U4.3 | length 32.6
  Bottom Layer w1: U4.3 94.078,117.008 112.618,135.548 R32.1
PE: J5.1 J8.1 Radiator_1.1
  other v1: 139.4,128.1 140.2,128.1 141,128.1 141.8,128.1 142.6,128.1 143.4,128.1 139.4,128.9 140.2,128.9 141,128.9 141.8,128.9 142.6,128.9 143.4,128.9 139.4,129.7 140.2,129.7 141,129.7 141.8,129.7 142.6,129.7 143.4,129.7 139.4,130.5 140.2,130.5 141,130.5 141.8,130.5 142.6,130.5 143.4,130.5 139.417,131.332 140.217,131.332 141.017,131.332 141.817,131.332 142.617,131.332 143.417,131.332 139.417,132.132 140.217,132.132 141.017,132.132 141.817,132.132 142.617,132.132 143.417,132.132 139.417,132.932 140.217,132.932 141.017,132.932 141.817,132.932 142.617,132.932 143.417,132.932 139.417,133.732 140.217,133.732 141.017,133.732 141.817,133.732 142.617,133.732 143.417,133.732 139.417,134.532 140.217,134.532 141.017,134.532 141.817,134.532 142.617,134.532 143.417,134.532 139.417,135.332 140.217,135.332 141.017,135.332 141.817,135.332 142.617,135.332 143.417,135.332 139.417,136.132 140.217,136.132 141.017,136.132 141.817,136.132 142.617,136.132 143.417,136.132 139.417,136.932 140.217,136.932 141.017,136.932 141.817,136.932 142.617,136.932 143.417,136.932
VCC: C14.1 L2.2 TP5.1 U3.4
"VCC +320": C3.2 R17.2 TP3.1 U3.5 VD1.2 VD3.2 VT1.2 VT4.2 | length 55.3
  Top Layer w1: v2(33.6,39.8) 33.7,39.7 39.6,39.7 v2(45.8,45.9)
  Bottom Layer w1: R17.2@31.45,39.8 v2(33.6,39.8) ; v2(45.8,45.9) 45.8,61.9 54.58,70.68 U3.5
  Bottom Layer w1.5: VT1.2 VT1.2@23.765,150.997 ; VD1.2@23.765,141.345 VD1.2 ; VT4.2@88.54,150.866 VT4.2
pads on no net: L1.GND L2.GND U1.2

## Polygon pours and split planes (outlines as drawn)
"VCC +320" on Top Layer "NONET_L-01_P-001" (solid, pour order 2): 26,153.038 26,143.4 35.837,133.563 71.225,133.563 86.6,148.937 86.6,153.038 90.7,153.038 90.7,144.6 91.9,143.4 91.9,135.9 76.4,120.4 68.3,120.4 65.4,117.5 56.9,117.5 55.2,115.8 55.2,96.3 60.3,91.2 60.3,78.8 57.7,76.2 52.1,76.2 49.968,78.332 49.968,82.75 28.1,104.618 28.1,123.4 22.8,128.7 22.8,136.7 21.2,138.3 21.2,153.038
VCC on Top Layer "NONET_L-01_P-001" (solid, pour order 5): 49.1,78.405 46.995,76.3 43.07,76.3 39.9,73.13 39.9,54.838 30.767,54.838 26.675,58.93 26.675,79.325 22.1,83.9 22.1,87.3 24.9,90.1 32.955,90.1 38.75,84.305 47.125,84.305 49.1,82.33
NetC4_1 on Top Layer "NONET_L-01_P-001" (solid, pour order 18): 121.9,57.544 140.175,57.544 140.175,121.725 122.6,139.3 101.7,139.3 108.5,132.5 108.5,128.944 121.344,116.1 124.5,116.1 130,110.6 130,86.7 121.9,78.6
PE on Top Layer "NONET_L-01_P-001" (solid, pour order 14): 139.1,127.4 138,128.5 138,150.827 132.327,156.5 16.7,156.5 5.002,144.802 5.002,47.998 6.8,46.2 20.3,46.2 22.713,43.787 22.713,40.413 20.9,38.6 0.25,38.6 0.25,180.146 145,180.146 145,127.4
NetL1_1 on Top Layer "NONET_L-01_P-001" (solid, pour order 0): 27.2,152.92 27.2,146.016 37.116,136.1 54.5,136.1 58.668,140.268 58.668,153.098 53.668,153.098 53.668,148.598 52.243,147.173 35.918,147.173 30.154,152.937
NetC4_2 on Top Layer "NONET_L-01_P-001" (solid, pour order 16): 117.6,44.8 113.2,44.8 111.05,46.95 111.05,54.45 119.475,62.875 119.475,102.115 105.887,90.913 108.6,88.2 108.6,80.5 99.75,71.65 99.75,40.2 104.15,35.8 117.6,35.8
NetJ7_1 on Top Layer "NONET_L-01_P-001" (solid, pour order 15): 138.24,55.125 138.24,45.5 114.197,45.5 112.175,47.522 112.175,53.725 113.575,55.125
NetC4_2 on Top Layer "NONET_L-01_P-001" (solid, pour order 13): 97.253,89.748 97.253,96.203 114.05,113 122.7,113 124.4,111.3 124.4,104.9 109.35,89.85 97.355,89.85
GND_ISOL on Top Layer "NONET_L-01_P-001" (solid, pour order 6): 2.425,22.25 2.425,33.975 3.2,34.75 17.25,34.75 21.85,30.15 21.85,22.25
NetC3_1 on Top Layer "NONET_L-01_P-001" (solid, pour order 9): 124.925,153.375 124.8,153.25 124.8,147.975 132.425,140.411 133.495,139.35 135.475,139.35 136.475,140.35 136.475,147.4 130.5,153.375
NetC4_1 on Top Layer "NONET_L-01_P-001" (solid, pour order 1): 91.918,153.09 91.918,146.315 103.633,134.6 120.245,134.6 123.7,138.055 123.7,153.091 118.893,153.091 118.893,148.792 117.267,147.166 104.625,147.166 98.663,153.128
NetJ4_1 on Top Layer "NONET_L-01_P-001" (solid, pour order 4): 6.16,54.66 6.16,49.24 7.5,47.9 39.9,47.9 39.9,53.417 29.483,53.417 26.9,56 7.5,56
NetC3_1 on Bottom Layer "NONET_L-01_P-001" (solid, pour order 11): 129.3,148.825 129.3,171.85 122.65,178.5 16.2,178.5 1.6,163.9 1.6,132.5 4.448,129.652 22.5,129.547 22.5,135.5 19.9,138.1 14.4,138.1 12.7,139.8 12.7,157 20.575,164.875 54.55,164.875 56.8,162.625 56.8,156.591 58.729,154.661 58.716,149 63.9,149 64.15,149.25 64.15,159.625 69.4,164.875 120.275,164.875 122.1,163.05 122.1,156.475 123.825,154.75 123.825,148.825
NetL1_1 on Bottom Layer "NONET_L-01_P-001" (solid, pour order 17): 105.793,88.8 105.793,82.6 86.493,82.6 69.393,99.7 56.693,99.7 34.893,121.5 34.893,130.749 34.893,138.787 34.893,143.1 41.293,143.1 47.693,136.7 47.693,132.2 55.693,124.2 55.693,112.1 58.493,109.3 76.32,109.3 96.82,88.8
PE on Bottom Layer "NONET_L-01_P-001" (solid, pour order 19): 123.322,44.022 121.3,42 121.3,38.8 123.5,36.6 145.039,36.6 145.039,137.7 139.483,137.7 138,136.217 138,66.561 139.483,65.078 139.483,48.266 135.239,44.022
GND on Bottom Layer "NONET_L-01_P-001" (solid, pour order 10): 1.6,117.9 1.6,61.9 5.045,58.455 22.122,58.455 23,59.333 23,76.217 18.7,80.517 18.7,89.817 26.4,97.517 26.4,117.9
GND_ISOL on Bottom Layer "NONET_L-01_P-001" (solid, pour order 12): 2.425,22.275 2.425,33.975 3.2,34.75 17.25,34.75 21.85,30.15 21.85,22.275

## Keep-outs
Keep-Out Layer:
  circle w0.254: c140,5.022 r1.5
  circle w0.254: c140,175 r1.5
  circle w0.254: c5.002,5.022 r1.5
  circle w0.254: c5.002,175.022 r1.5
  lines w0.254: 0.002,175 cw(c5.002,175) 5.002,180 ; 0.002,175.022 0.002,5.022 ccw(c5.002,5.022) 5.002,0.022 140.002,0.022 ; 5,180 140.148,180 ; 140,0.022 ccw(c140,5.022) 145,5.022 145,175.022 ; 140,180 cw(c140,175) 145,175

## Other copper
Top Layer:
  pour cut-out: 56.9,128.8 56.9,127 57.7,126.2 62.2,126.2 62.7,126.7 62.7,129.1 62.205,129.595 57.695,129.595
  pour cut-out: 21.85,20.625 23.65,20.625 23.65,34.375 19.898,38.127 0.002,38.127 0.002,19.125 2.975,19.125 2.975,21.825 2.425,21.825 2.425,33.975 3.2,34.75 17.25,34.75 21.85,30.15
  pour cut-out: 13.925,19.125 14.318,19.518 18.193,19.518 19.3,20.625 23.65,20.625 23.65,22.2 2.05,22.2 2.05,19.125
  pour cut-out: 46.025,103.275 46.025,100.775 46.725,100.075 52.3,100.075 53.025,100.8 53.025,103.225 52.35,103.9 46.65,103.9
  text "b" at 109.875,7.978 h25
  text "b" at 109.875,7.928 h25
Bottom Layer:
  pour cut-out: 21.84,20.63 23.64,20.63 23.64,34.38 19.889,38.132 -0.008,38.132 -0.008,19.13 2.965,19.13 2.965,21.83 2.415,21.83 2.415,33.98 3.19,34.755 17.24,34.755 21.84,30.155
  pour cut-out: 13.915,19.13 14.308,19.523 18.183,19.523 19.29,20.63 23.64,20.63 23.64,22.205 2.04,22.205 2.04,19.13
  text "b" at 134.875,7.878 h25

## Silkscreen, mask and mechanical layers (free items; w line width, h text height)
Top Overlay:
  circle w1: c140,175 r2.2
  circle w1: c140,5.022 r2.2
  circle w1: c5.002,5.022 r2.2
  circle w1: c5.002,175.022 r2.2
  text "GND" at 1.3,64.1 h1.5 r270
  text "L" at 143.5,59.9 h1.5 r90
  text "VCC" at 1.3,54.1 h1.5 r270
  text "N" at 144.1,49.575 h1.5 r90
  text "PE" at 1.3,43.7 h1.5 r270
  text "PE" at 143.5,39.1 h1.5 r90
  text "GND" at 2.254,36.246 h1 r270
  text "SCL" at 2.254,32.146 h1 r270
  text "SDA" at 2.254,28.246 h1 r270
  text "5V" at 2.254,24.246 h1 r270
  text "FAN_VCC_GND" at 78.854,1.321 h1
  text "5V" at 15.054,1.154 h1
  text "SDA" at 17.854,1.154 h1
  text "SCL" at 21.654,1.154 h1
  text "GND" at 25.654,1.154 h1
  text "5V" at 32.354,1.054 h1
  text "GND" at 36.979,1.054 h1
  text "18V" at 42.054,1.054 h1
  text "GND" at 52.254,1.054 h1
  text "12V" at 47.354,0.954 h1
Top Solder:
  text "b" at 134.875,7.878 h25
Bottom Solder:
  text "b" at 134.875,7.878 h25

## Text inside footprints (layer, text, board x,y; h text height)
U4: Top Overlay "FANCTR" at 59.001,105.027 h1.2 r90; Top Overlay "TFB" at 61.642,108.481 h1.2 r90; Top Overlay "UFB" at 64.284,108.659 h1.2 r90; Top Overlay "+5V" at 66.951,108.659 h1.2 r90; Top Overlay "GND" at 69.338,108.608 h1.2 r90; Top Overlay "+12V" at 71.878,107.643 h1.2 r90; Top Overlay "GND" at 74.266,108.481 h1.2 r90; Top Overlay "2HO" at 76.831,108.532 h1.2 r90; Top Overlay "VS2" at 79.473,108.532 h1.2 r90; Top Overlay "2LO" at 82.064,108.71 h1.2 r90; Top Overlay "GND" at 84.604,108.659 h1.2 r90; Top Overlay "1HO" at 87.042,108.558 h1.2 r90; Top Overlay "VS1" at 89.557,108.558 h1.2 r90; Top Overlay "GND" at 92.198,108.608 h1.2 r90; Top Overlay "1LO" at 94.84,108.431 h1.2 r90; Top Overlay "GND" at 97.456,108.507 h1.2 r90; Top Overlay "IFB" at 99.945,108.608 h1.2 r90